# KiCad board hellen72_NB2.kicad_pcb (continued)
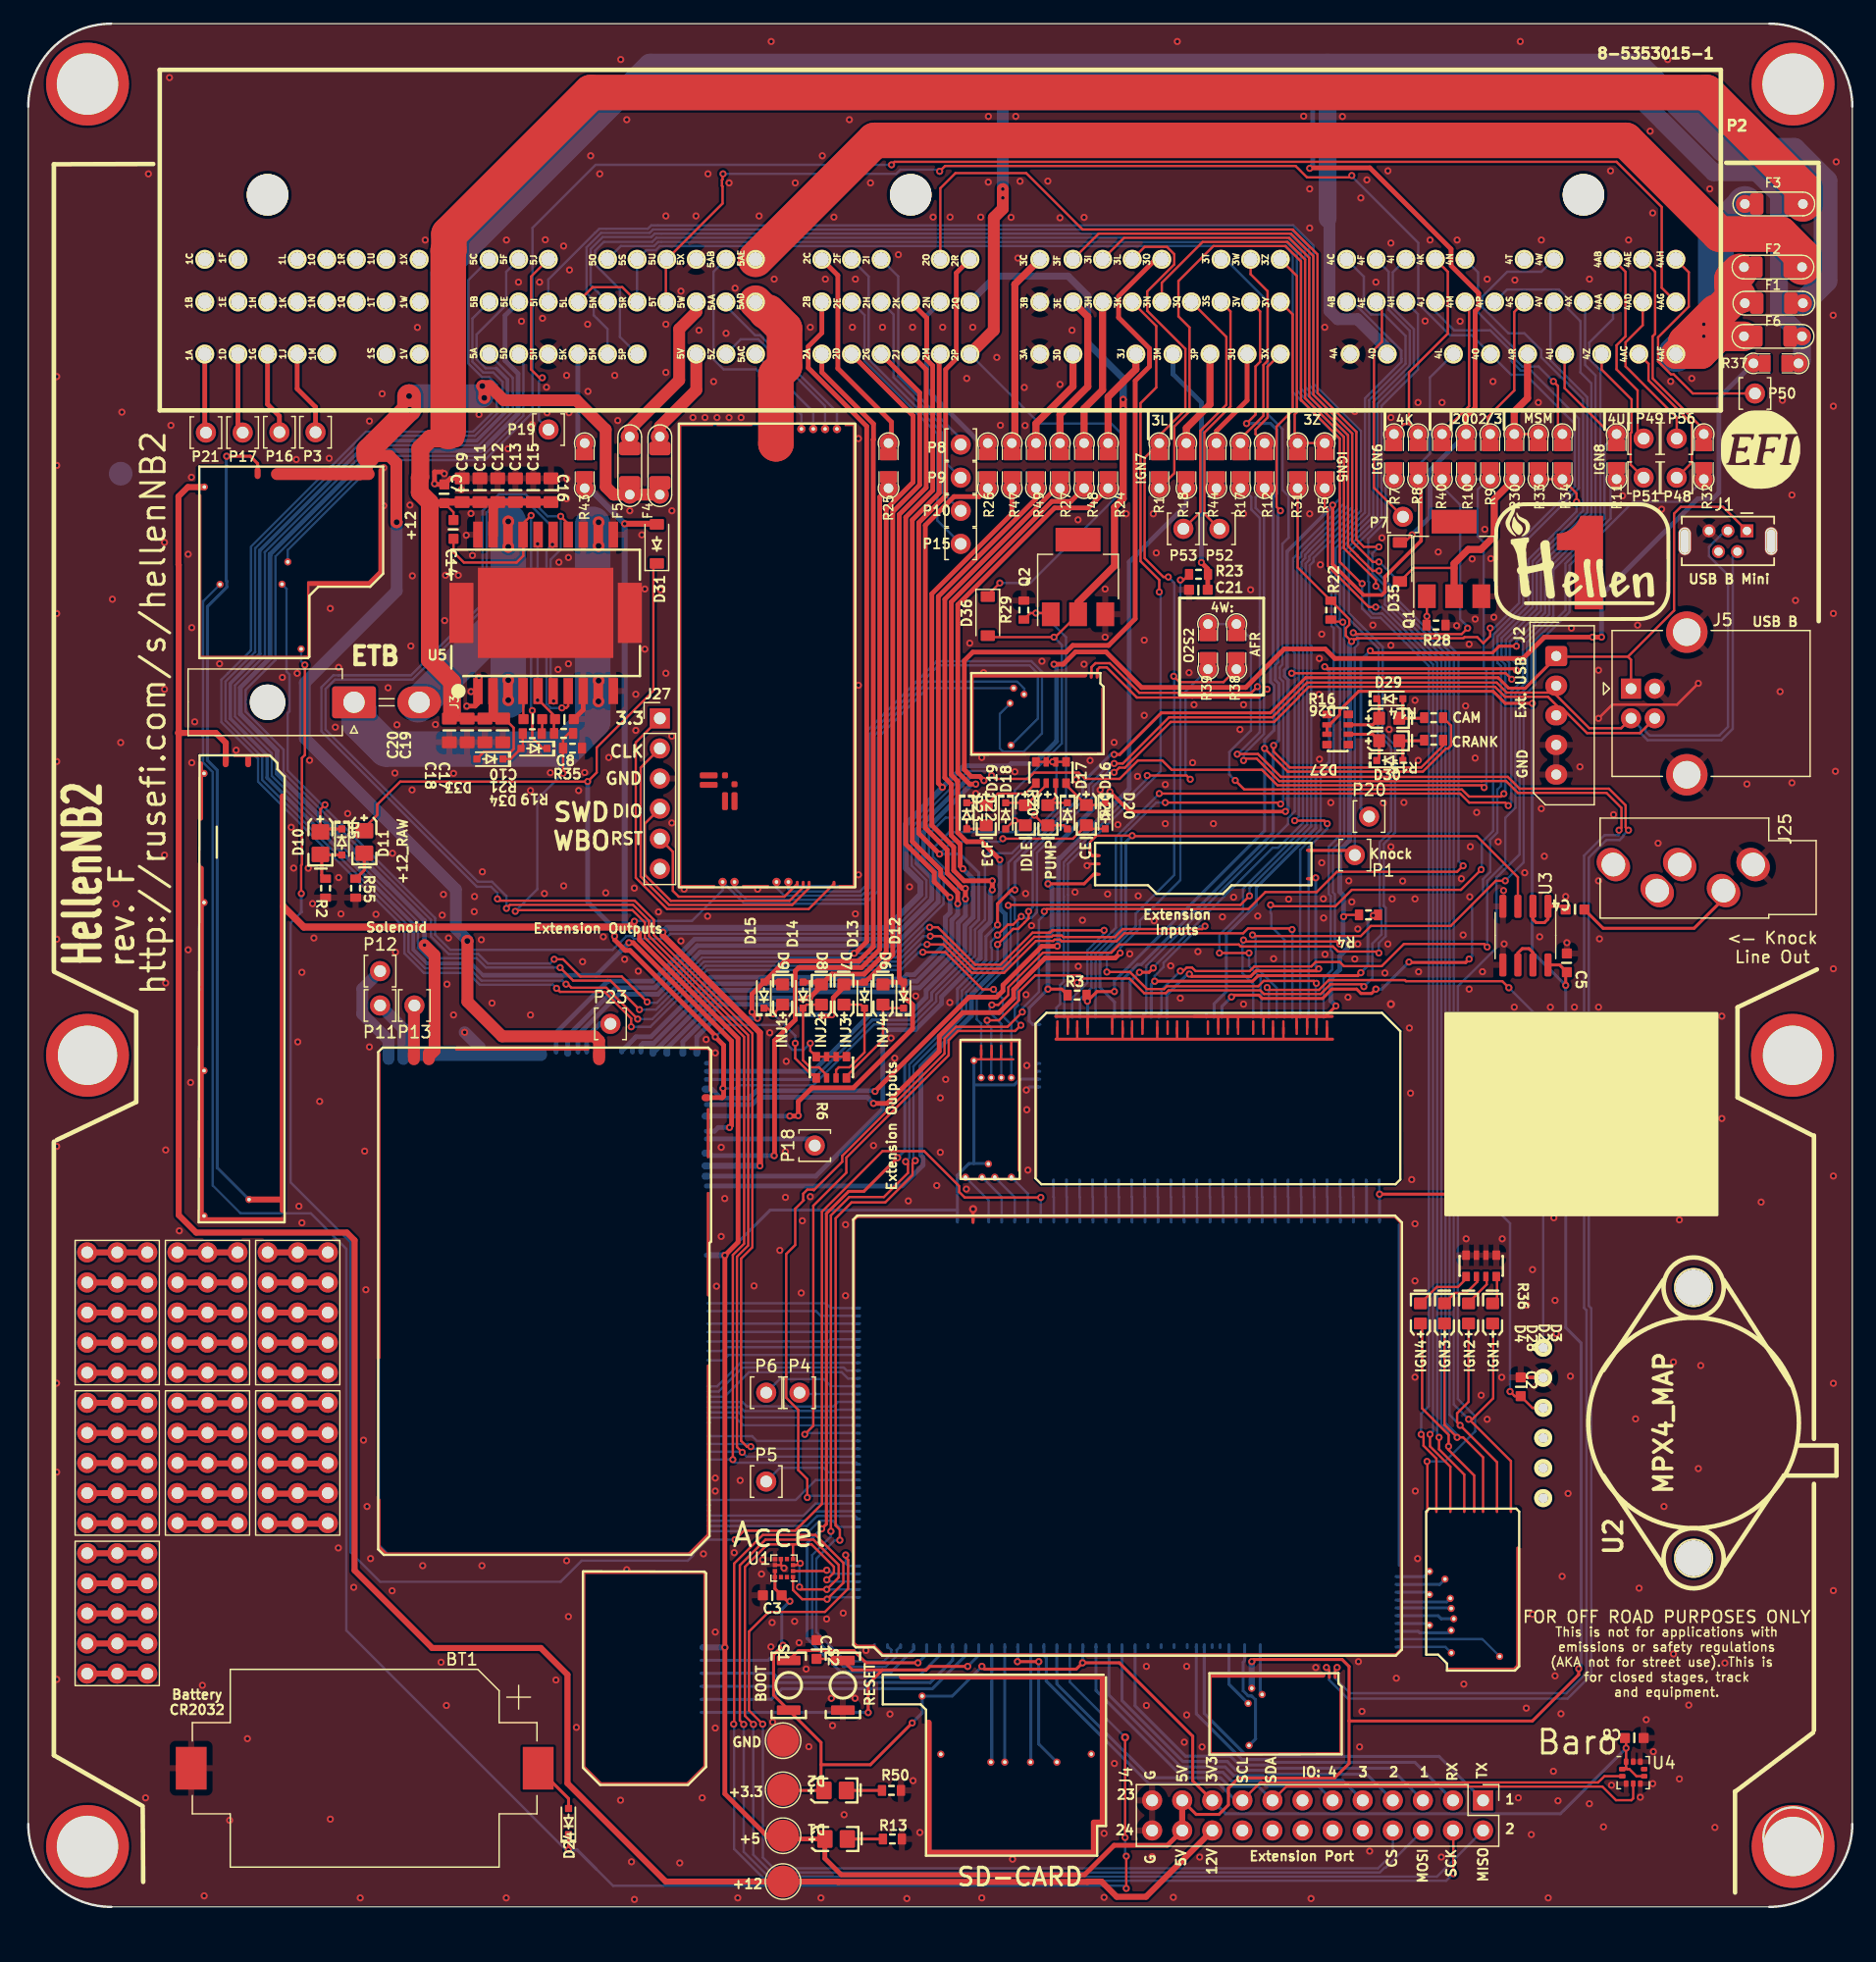
[diagram p0: board, top side]
## Routing (per net, layer and track width the routed paths; a pad name or vN(x,y) marks a point on that pad's centre or on a via; arc(x,y) is an arc through that point) (continued)
Net-(G9-Pad10): length 5.1
  Top w0.508: G9.15 G9.5
Net-(G9-Pad12): length 5.1
  Top w0.508: G9.2 G9.12
Net-(G9-Pad13): length 5.1
  Top w0.508: G9.13 G9.3
Net-(G9-Pad14): length 5.1
  Top w0.508: G9.4 G9.14
Net-(G11-Pad1): length 5.1
  Top w0.508: G11.11 G11.1
Net-(G11-Pad10): length 5.1
  Top w0.508: G11.15 G11.5
Net-(G11-Pad12): length 5.1
  Top w0.508: G11.2 G11.12
Net-(G11-Pad13): length 5.1
  Top w0.508: G11.13 G11.3
Net-(G11-Pad14): length 5.1
  Top w0.508: G11.4 G11.14
Net-(G12-Pad1): length 5.1
  Top w0.508: 17.73,32.36 12.65,32.36
Net-(G12-Pad10): length 5.1
  Top w0.508: 17.73,42.52 12.65,42.52
Net-(G12-Pad12): length 5.1
  Top w0.508: 12.65,34.9 17.73,34.9
Net-(G12-Pad13): length 5.1
  Top w0.508: 17.73,37.44 12.65,37.44
Net-(G12-Pad14): length 5.1
  Top w0.508: 12.65,39.98 17.73,39.98
Net-(J27-Pad1): length 33
  Top w0.2: J27.1 51.29,98.32 51.29,86.89 53.93,84.24 65.89,84.24 M12.W8
Net-(J27-Pad2): length 27.6
  Top w0.2: J27.2 51.7,96.19 51.7,86.99 54.1,84.59 64.49,84.59 65.92,86.02 M12.W7
Net-(J27-Pad4): length 21.2
  Top w0.2: M12.W6 65.42,86.09 64.28,84.94 54.25,84.94 52.05,87.14 52.05,91.46 J27.4
Net-(J27-Pad5): length 16
  Top w0.2: J27.5 54.42,89.09 54.42,85.79 54.92,85.29 63.83,85.29 M12.W5
Net-(M3-PadN25): length 24.5
  Bottom w0.254: M7.N5 62.73,17.52 63.63,18.42 76.33,18.42 79.14,21.24 M3.N25
Net-(M3-PadN26): length 23.2
  Bottom w0.254: M7.N4 62.93,18.62 63.25,18.94 76.15,18.94 78.04,20.84 M3.N26
Net-(M3-PadN27): length 21.7
  Bottom w0.254: M7.N3 62.9,19.72 63.22,19.39 75.1,19.39 76.94,21.24 M3.N27
Net-(M5-PadW6): length 76.3
  Top w0.2: v1(97.27,112.03) 97.53,112.03 R23.1
  Top w0.4: v1(92.19,80.54) 91.76,80.11 85.85,80.11 83.19,77.45 83.19,76.73 81.97,75.51 78.9,75.51 76.91,73.51 76.91,72.23 72.51,67.84 v1(71.36,67.84)
  Bottom w0.2: v1(92.19,80.54) 92.19,80.98 93.85,82.65 93.85,83.28 97.27,86.69 v1(97.27,112.03)
  Bottom w0.4: v1(71.36,67.84) 70.84,68.36 61.72,68.36 61.1,67.74 M5.W6
Net-(M12-PadW2): length 41.3
  Bottom w0.2: M12.W2 59.62,86.04 60.63,85.03 70.51,85.03 71.39,85.91 71.39,98.87 75.97,103.45 83.5,103.45 84.09,102.85 84.09,102.37
Net-(M12-PadW3): length 45.7
  Bottom w0.2: M12.W3 63.17,86.04 63.83,85.38 70.37,85.38 71.04,86.05 71.04,99.01 76.85,104.82 84.55,104.82 85.23,104.14 85.23,100.32 82.99,98.07
Net-(M12-PadW4): length 51.8
  Bottom w0.2: M12.W4 64.17,85.94 64.38,85.73 70.22,85.73 70.69,86.2 70.69,99.17 76.69,105.17 84.69,105.17 85.58,104.28 85.58,99.08 84.03,97.52 82.31,97.52 82.03,97.81 82.03,100.73 82.92,101.62
Net-(P2-Pad34): length 19
  Top w0.2: R34.2 129.15,124.72 129.15,128.41 v1(128.76,128.8)
  Bottom w0.2: P2.34 122.4,138 122.4,134.63 125.53,131.5 125.53,130.67 126.15,130.06 127.5,130.06 v1(128.76,128.8)
Net-(P2-Pad36): length 97.1
  Top w0.2: v1(101.9,95.11) 102.66,94.35 121.03,94.35 121.64,93.74 124.34,93.74 v1(124.58,93.98)
  Bottom w0.2: 99.6,108.31 102,108.31 103.23,107.09 103.23,99.33 101.4,97.51 101.4,95.61 v1(101.9,95.11) ; P2.36 127.75,138.06 124.87,138.06 122.75,135.94 122.75,135.07 124.96,132.87 126.31,132.87 127.75,131.43 127.75,130.83 131.27,127.3 131.27,117.87 128.04,114.64 127.01,113.62 127.01,109.75 124.39,107.13 124.39,105.19 124.7,104.88 124.7,94.1 v1(124.58,93.98)
Net-(P2-Pad39): length 20
  Top w0.2: P2.39 140.19,138.02 140.19,135.11 137.6,132.52 137.6,130.48 138.69,129.39 138.92,129.39 140.53,127.78 146.29,127.78
Net-(P2-Pad65): length 13.4
  Top w0.6: P2.65 89.45,134.26 89.45,128.35 87.11,126 R27.1
Net-(P2-Pad81): length 59.5
  Top w0.254: v1(113.3,106.06) 113.47,105.88 123.63,105.88 124.19,106.44 v1(125.64,106.44)
  Bottom w0.2: P2.81 131.44,135.36 131.44,130.18 132.32,129.3 132.32,117.44 128.47,113.59 128.06,113.18 128.06,109.27 125.64,106.85 v1(125.64,106.44)
  Bottom w0.254: P20.1 112.51,92.75 112.51,105.26 v1(113.3,106.06)
Net-(P2-Pad111): length 8.3
  Top w0.6: P2.111 99.77,126.86 97.77,124.86 R18.2
Net-(P2-Pad118): length 9.1
  Top w0.2: 127.37,124.35 R30.2
  Top w0.6: P2.118 126.58,127.38 125.46,126.26 R30.2
Net-(U3-Pad6): length 3.6
  Top w0.254: U3.7 127.04,80.57 126.7,80.91 126.13,80.91 125.77,80.54 U3.6

## Copper pours and planes (outline as drawn; the poured copper is in the pictures)
GND on Top, Bottom: 156.9,-10.44 -3.5,-10.89 -3.5,159.11 156.5,159.11

## Text on the board
B.Silkscreen: 1C | 1B | 1A | 1F | 1E | 1D | 1H | 1G | 1K | 1J | 1L | 1M | 1O | 1N | 1R | 1Q | 1U | 1T | 1S | 1X | 1W | 1V | 5A | 5C | 5B | 5D | 5F | 5E | 5H | 5J | 5I | 5K | 5L | 5M | 5O | 5N | 5P | 5S | 5R | 5U | 5T | 5V | 5W | 5X | 5Z | 5AB | 5AA | 5AC | 5AD | 5AE | 2B | 2A | 2C | 2E | 2F | 2D | 2H | 2I | 2G | 2K | 2J | 2N | 2O | 2M | 2Q | 2R | 2P | 3B | 3C | 3A | 3E | 3F | 3D | 3H | 3I | 3K | 3L | 3J | 3N | 3O | 3M | 3Q | 3P | 3T | 3S | 3U | 3V | 3W | 3Y | 3Z | 3X | 4C | 4B | 4A | 4E | 4F | 4D | 4H | 4I | 4J | 4K | 4L | 4M | 4N | 4O | 4P | 4S | 4T | 4R | 4W | 4V | 4U | 4X | 4Z | 4AA | 4AB | 4AC | 4AD | 4AE | 4AF | 4AG | 4AH | VS/IP | RTrim | DIGIT | TPS2 | +5VA | +12 | CRANK | BRAKE | VTCS | TPS | 12_PERM | GND | PPS2 | PPS1 | GNDA | CHECK | STEERING | AC_PRESS | CLUTCH | +12_RAW | VS | H- | IP | H+ | ECF | MAIN | IGN4 | CAM | AC | INJ6 | CLT | MAF | TPS1 | INJ5 | IGN3 | INJ7 | IGN1 | IGN2 | AFR | TACH | VSS | CANH | IDLE | O2S2 | INJ1 | INJ2 | INJ3 | INJ4 | PUMP | INJ8 | O2H | ALTERN | O2H2 | ALT_W | CANL | VVT | MAP | Always looking for C/C++/PHP/Java developers / https://rusefi.com/s/mission | ETB | WBO | http://rusefi.com/s/hellenNB2 | rev. F | HellenNB2
F.Silkscreen: 1B | 1A | 1C | 1F | 1E | 1D | 1H | 1G | 1L | 1K | 1J | 1O | 1N | 1M | 1R | 1Q | 1U | 1T | 1S | 1X | 1W | 1V | 5C | 5A | 5B | 5F | 5D | 5E | 5J | 5H | 5I | 5K | 5L | 5O | 5M | 5N | 5S | 5P | 5R | 5U | 5T | 5X | 5V | 5W | 5AB | 5Z | 5AA | 5AD | 5AE | 5AC | 2A | 2B | 2C | 2D | 2F | 2E | 2I | 2G | 2H | 2J | 2K | 2O | 2M | 2N | 2R | 2P | 2Q | 3C | 3A | 3B | 3F | 3D | 3E | 3I | 3H | 3L | 3K | 3J | 3O | 3N | 3M | 3Q | 3P | 3T | 3S | 3U | 3W | 3V | 3Z | 3X | 3Y | 4C | 4B | 4A | 4F | 4E | 4D | 4I | 4H | 4K | 4J | 4L | 4N | 4M | 4O | 4P | 4T | 4S | 4R | 4V | 4W | 4U | 4X | 4Z | 4AB | 4AA | 4AC | 4AE | 4AD | 4AH | 4AG | 4AF | / | 4W: | 2002 3 | MSM | IGN7 | O2S2 | AFR | IGN6 | IGN8 | IGN5 | 24 | 23 | Extension Port | IO: 4   3   2   1 | 1 | 2 | Battery / CR2032 | Solenoid | Extension Outputs | +3.3 | GND | +12 | +5 | Knock | CAM | CRANK | USB B Mini | USB B | INJ1 | INJ2 | INJ3 | INJ4 | G | 3V3 | 12V | SCL | SDA | CS | MOSI | SCK | RX | TX | MISO | +12_RAW | BOOT | RESET | ECF | IDLE | PUMP | CE | IGN4 | IGN3 | IGN2 | IGN1 | Ext. USB | Extension / Inputs | <— Knock / Line Out | CLK | RST | DIO | 3.3 | SD-CARD | SWD / WBO | ETB | Accel | Baro | http://rusefi.com/s/hellenNB2 | rev. F | HellenNB2
